# Altium PCB 400182.PcbDoc (part 3 of 3)
Units mm, origin at the board's own origin, x right, y up, seen from the top; angles counter-clockwise.
Board outline 50.6 x 50.4 mm, 2 copper layers (Top Layer, Bottom Layer), stack 1.505 mm thick; 166 components, 124 nets, 606 pads, 438 vias.
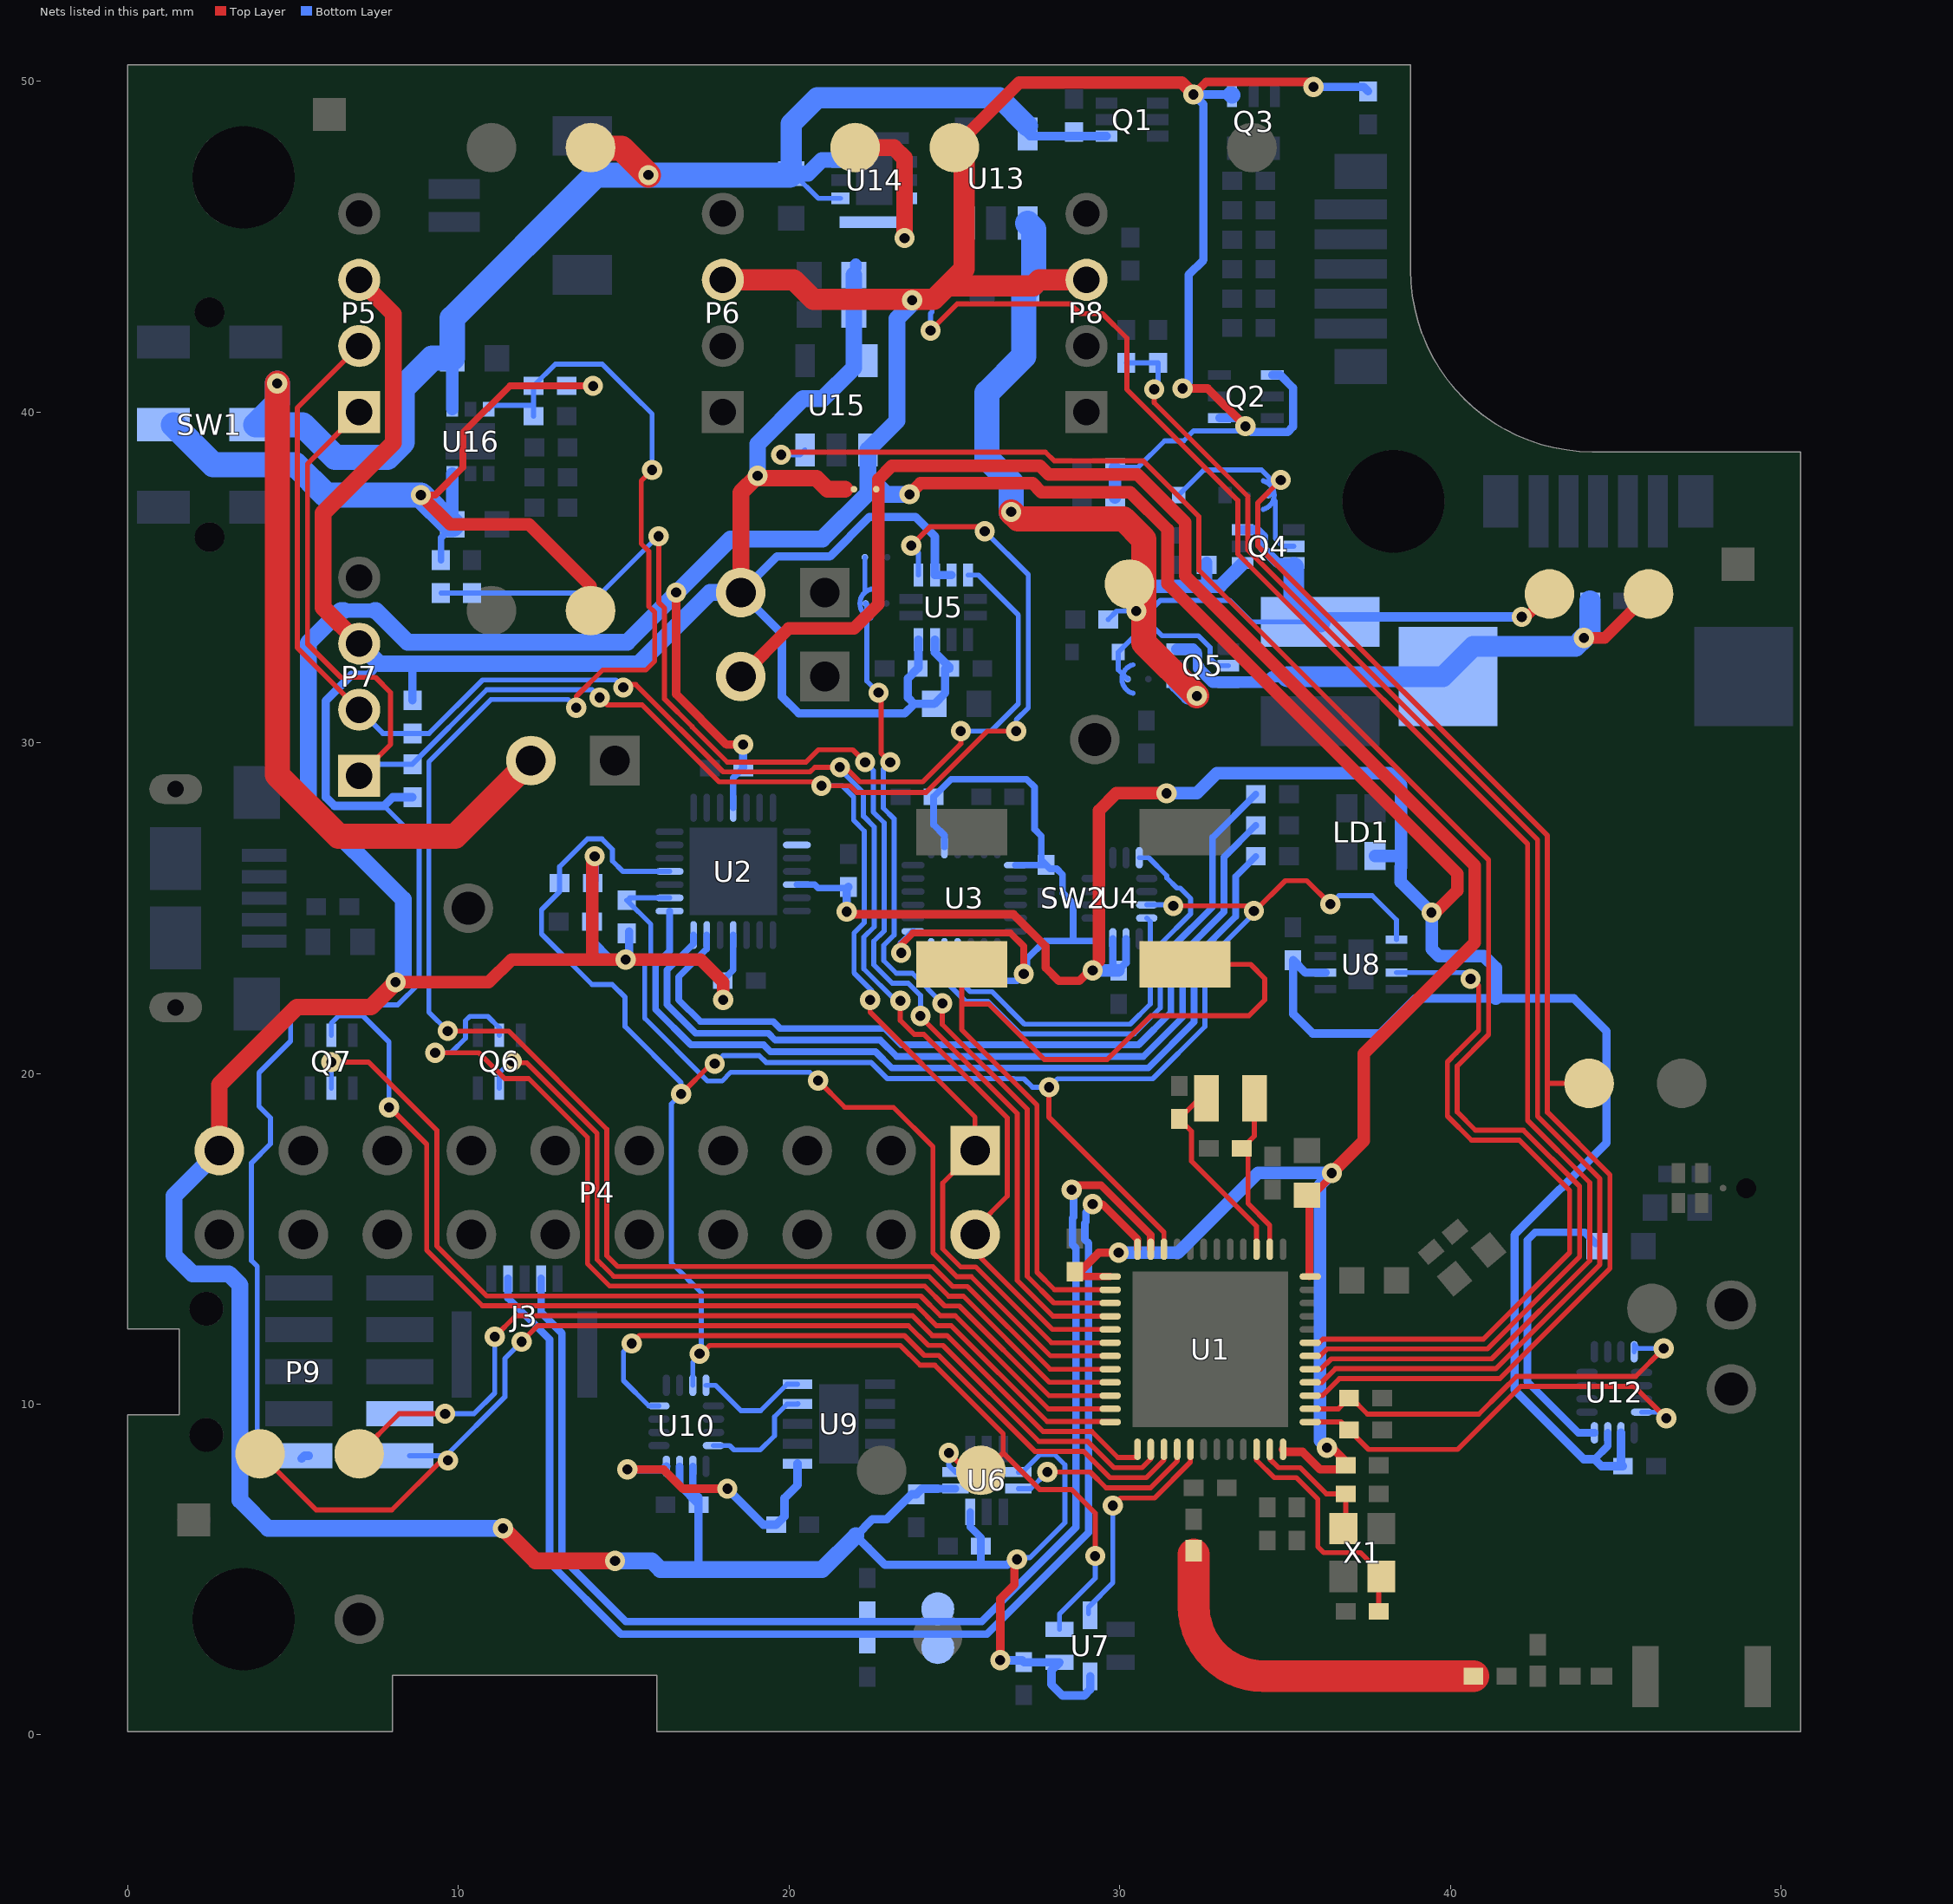
[diagram p3: the nets of this part, all layers, seen from the top]

## Via types
v1: diameter 0.61, hole 0.305, Top Layer to Bottom Layer, tented both sides, 422 vias
v2: diameter 0.66, hole 0.33, Top Layer to Bottom Layer, tented both sides, 16 vias

## Nets (pads, with @x,y where several pads share a name; then routed paths per layer and width w, separated by ;. In a path a pad name is that pad's centre, name@x,y a point inside that pad or via, vN(x,y) a via of type N, cw(c..) or ccw(c..) an arc to the next point about the centre after c; other vN are vias at no path point) (continued)
P0.08: R23.2 TP18.1 U1.10 U2.25 U4.11 U6.2 U7.2 U8.5 U10.7 | length 80.9
  Top Layer w0.147: v1(16.739,19.38) 17.653,20.295 v1(17.755,20.295)
  Top Layer w0.152: v1@17.346,11.525 17.597,11.777 23.366,11.777 23.965,11.178 24.409,11.178 26.476,9.111 26.476,8.525 ; v1(24.834,8.525) 25.359,8 TP18.1@25.8,8 25.951,8 26.476,8.525 ; v1(27.864,19.583) 27.864,18.676 31.342,15.197 U1.10@31.342,14.685 ; v1(29.261,5.41) 29.261,6.706 28.544,7.422 27.579,7.422 26.476,8.525 ; v1(31.623,25.07) 33.909,25.07 v1(34.061,24.917) 34.097,24.917 35.012,25.832 35.662,25.832 v1(36.373,25.121)
  Bottom Layer w0.147: v1(16.739,19.38) 16.441,19.082 16.441,14.277 16.959,13.759
  Bottom Layer w0.152: 15.239,26.117 14.97,26.117 14.661,26.426 14.661,26.776 14.341,27.096 13.904,27.096 13.064,26.256 13.064,25.503 12.515,24.955 12.515,24.22 14.043,22.692 14.655,22.692 15.043,22.304 15.043,21.42 16.739,19.724 v1(16.739,19.38) ; 15.24,26.116 16.384,26.116 U2.25@16.388,26.111 ; 16.957,13.757 17.346,13.368 v1@17.346,11.525 ; U10.7@17.091,10.572 17.091,11.27 ; v1(17.755,20.295) 18.004,20.544 19.098,20.544 19.306,20.335 22.481,20.335 22.974,19.842 26.797,19.842 ; v1(24.834,8.525) 24.834,8.146 U6.2@25.034,7.946 ; 26.797,19.842 27.107,19.842 27.366,19.583 v1(27.864,19.583) 28.122,19.842 30.999,19.842 32.578,21.421 32.578,23.353 v1@34.061,24.837 ; U7.2@28.183,3.192 28.183,3.658 29.261,4.735 v1(29.261,5.41) ; U4.11@30.82,25.1 31.593,25.1 v1(31.623,25.07) ; v1(36.373,25.121) 36.632,25.38 37.638,25.38 38.375,24.642 U8.5@38.375,24.05
  other v1: 17.295,11.525
P0.09: C45.1 J3.2 TP24.1 U1.11 | length 40
  Top Layer w0.229: v1(28.55,16.485) 28.684,16.619 29.443,16.619 30.942,15.12 U1.11@30.942,14.685
  Bottom Layer w0.229: J3.2@12.5,13.8 12.5,12.773 13.132,12.141 13.132,5.359 15.068,3.424 25.829,3.424 28.682,6.277 28.682,14.716 28.573,14.825 28.573,15.631 28.608,15.666 28.608,16.427 v1(28.55,16.485)
P0.10: C46.2 J3.4 TP25.1 U1.12 | length 39.7
  Top Layer w0.229: v1(29.185,16.053) 29.478,16.053 30.542,14.989 U1.12@30.542,14.685
  Bottom Layer w0.229: J3.4@11.5,13.8 11.5,13.214 12.756,11.958 12.756,5.204 14.912,3.048 25.984,3.048 29.058,6.121 29.058,14.871 28.949,14.98 28.949,15.476 28.983,15.51 28.983,15.801 v1@29.185,16.002
P0.11: SW2.2 U1.14 | length 26.5
  Top Layer w0.152: SW2.2@25.225,23.3 25.225,22.098 ; U1.14@29.717,13.46 28.033,13.46 27.501,13.992 27.501,19.047 25.225,21.324 25.225,22.098 ; SW2.2@31.975,23.3 33.962,23.3 34.392,22.87 34.392,22.225 33.912,21.745 30.947,21.745 29.623,20.422 27.722,20.422 26.045,22.098 25.225,22.098
P0.12: SB9.2 SB10.2 U1.15 | length 27
  Top Layer w0.152: v1(22.708,31.517) 22.784,31.44 22.784,29.693 v1(23.063,29.413) ; v1(24.638,22.123) 24.638,21.487 27.202,18.923 27.202,13.868 28.01,13.06 U1.15@29.717,13.06
  Bottom Layer w0.152: 22.294,34.546 SB9.2@22.294,35.611 ; SB10.2@22.319,34.214 22.355,34.178 22.355,31.87 v1(22.708,31.517) ; v1(23.063,29.413) 22.852,29.202 22.852,28.029 23.176,27.705 23.176,24.188 22.865,23.877 22.865,23.414 23.246,23.033 23.729,23.033 v1(24.638,22.123)
P0.13: R13.2 R14.1 U1.16 | length 40.8
  Top Layer w0.152: v1(16.053,36.246) 16.058,36.24 16.058,34.247 16.236,34.069 16.236,31.326 17.069,30.493 17.069,30.48 18.13,29.419 20.513,29.419 20.883,29.789 21.925,29.789 v1(22.301,29.413) ; v1(23.978,21.742) 23.978,21.716 26.903,18.791 26.903,13.744 27.987,12.66 U1.16@29.717,12.66
  Bottom Layer w0.152: R13.2@9.474,34.527 R14.1@10.414,34.527 14.318,34.527 16.038,36.246 v1(16.053,36.246) ; v1(22.301,29.413) 22.553,29.162 22.553,27.905 22.877,27.581 22.877,24.312 22.565,24.001 22.565,23.29 23.122,22.733 23.605,22.733 23.978,22.36 v1(23.978,21.742)
P0.14: P4.2 P5.2 P7.2 R24.2 U1.17 U5.4 | length 63.6
  Top Layer w0.152: P7.2@7,31 5.125,32.875 5.125,40.125 P5.2@7,42 ; v1(14.986,31.674) 15.074,31.762 15.364,31.762 18.006,29.119 20.637,29.119 20.778,29.261 v1(21.539,29.261) 21.707,29.261 22.146,28.821 24.043,28.821 25.197,29.975 v1(25.197,30.353) ; v1(23.368,22.2) 23.368,21.605 23.789,21.184 24.079,21.184 26.603,18.66 26.603,16.291 25.63,15.318 P4.2@25.63,15.13 25.63,14.593 27.963,12.26 U1.17@29.717,12.26
  Bottom Layer w0.152: P7.2@7,31 7.715,30.285 R24.2@8.611,30.285 9.117,30.285 10.735,31.902 14.757,31.902 v1(14.986,31.674) ; v1(21.539,29.261) 21.539,29.202 22.253,28.488 22.253,27.781 22.577,27.457 22.577,24.437 22.266,24.125 22.266,23.165 23.231,22.2 v1(23.368,22.2) ; v1(25.197,30.353) 26.112,30.353 26.938,31.18 26.938,33.864 25.731,35.072 U5.4@25.415,35.072
P0.15: P4.1 P5.1 P7.1 R25.2 U1.18 U5.1 | length 70.2
  Top Layer w0.147: v1(22.454,22.225) 22.454,21.857 25.63,18.681 P4.1@25.63,17.67 24.648,16.688 24.648,14.697 25.191,14.154 25.642,14.154 27.936,11.86 U1.18@29.717,11.86
  Top Layer w0.152: P7.1@7,29 7.95,29.95 7.95,31.521 7.493,31.979 6.445,31.979 5.436,32.988 5.436,38.436 P5.1@7,40 ; v1(14.275,31.369) 14.498,31.146 15.556,31.146 17.882,28.82 20.863,28.82 v1(20.98,28.702) 21.842,28.702 22.045,28.499 24.144,28.499 25.998,30.353 v1(26.873,30.353) ; v1(23.698,35.966) 24.262,36.531 25.791,36.531 v1(25.921,36.4)
  Bottom Layer w0.152: P7.1@7,29 7.354,29.354 R25.2@8.611,29.354 10.859,31.603 14.041,31.603 v1(14.275,31.369) ; v1(20.98,28.702) 21.615,28.702 21.953,28.364 21.953,27.657 22.277,27.333 22.277,24.561 21.966,24.249 21.966,23.041 22.504,22.503 v1@22.504,22.225 ; v1(23.698,35.966) 23.915,35.75 U5.1@23.915,35.072 ; v1(25.921,36.4) 27.238,35.084 27.238,31.056 26.873,30.691 v1(26.873,30.353)
P0.16: R1.1 U1.19 U2.23 | length 25.6
  Top Layer w0.147: v1(20.879,19.787) 21.686,18.979 23.157,18.979 24.353,17.783 24.353,14.575 25.074,13.855 25.518,13.855 27.913,11.46 U1.19@29.717,11.46
  Bottom Layer w0.147: R1.1@15.091,25.242 R1.1@15.091,25.242 15.824,24.511 15.824,23.595 15.639,23.41 15.639,21.667 17.537,19.769 17.972,19.769 18.241,20.038 20.627,20.038 v1(20.879,19.787)
  Bottom Layer w0.152: R1.1@15.167,25.242 15.167,25.292 15.186,25.311 U2.23@16.388,25.311
P0.17: R15.2 R16.1 U1.20 U16.3 | length 58
  Top Layer w0.147: v1@9.627,21.311 v1@9.665,21.273 ; v1(9.677,21.285) 11.52,21.285 14.49,18.315 14.49,16.891 14.49,14.491 14.822,14.159 24.353,14.159 24.952,13.56 25.396,13.56 27.897,11.06 U1.20@29.717,11.06 ; v1(13.564,31.064) 13.564,31.401 14.362,32.199 15.664,32.199 15.939,32.475 15.939,33.946 15.761,34.124 15.761,35.794 15.527,36.028 15.527,37.918 v1(15.862,38.252)
  Bottom Layer w0.147: v1(9.677,21.285) 9.106,21.856 9.106,29.43 10.982,31.306 13.322,31.306 v1(13.564,31.064) ; 15.278,40.526 15.862,39.942 v1(15.862,38.252)
  Bottom Layer w0.152: U16.3@10.913,40.091 11.03,40.208 12.276,40.208 ; R16.1@12.276,39.878 12.276,40.208 ; 15.278,40.526 14.351,41.453 12.937,41.453 R15.2@12.276,40.792 12.276,40.208
P0.18: Q6.2 U1.21 | length 25.3
  Top Layer w0.147: v1@11.542,20.32 12.069,20.32 14.195,18.194 14.195,17.349 14.196,14.369 14.345,14.22 ; 14.345,14.22 14.7,13.865 24.231,13.865 24.83,13.266 25.274,13.266 27.88,10.66 U1.21@29.717,10.66
  Bottom Layer w0.147: Q6.2@11.237,19.558 11.237,20.015 v1@11.542,20.32
  other v1: 11.618,20.371
P0.19: Q6.5 U1.22 | length 30
  Top Layer w0.147: v1(9.296,20.625) 10.621,20.625 11.401,19.845 12.127,19.845 13.901,18.072 13.901,14.248 14.578,13.571 24.109,13.571 24.708,12.972 25.152,12.972 27.864,10.26 U1.22@29.717,10.26
  Bottom Layer w0.147: v1(9.296,20.625) 9.777,20.625 10.217,21.064 10.217,21.599 10.346,21.729 10.891,21.729 11.237,21.383 Q6.5@11.237,21.158
P0.20: Q7.2 U1.23 | length 30.7
  Top Layer w0.152: v1(6.157,20.345) 7.282,20.345 9.347,18.28 9.347,14.782 10.855,13.274 23.986,13.274 24.585,12.675 25.029,12.675 27.844,9.86 U1.23@29.717,9.86
  Bottom Layer w0.152: Q7.2@6.157,19.558 v1(6.157,20.345)
P0.21: Q7.5 U1.24 | length 32.1
  Top Layer w0.152: v1(7.899,18.974) 7.93,18.974 9.042,17.862 9.042,14.656 10.724,12.974 23.862,12.974 24.461,12.375 24.905,12.375 27.807,9.474 29.703,9.474 U1.24@29.717,9.46
  Bottom Layer w0.152: Q7.5@6.157,21.158 6.157,21.524 6.375,21.742 7.112,21.742 7.899,20.955 v1(7.899,18.974)
P0.22: U1.27 U10.4 | length 21.1
  Top Layer w0.152: v1(15.24,11.836) 15.48,12.076 23.49,12.076 24.089,11.477 24.533,11.477 27.435,8.576 28.91,8.576 29.709,7.777 30.808,7.777 31.342,8.311 U1.27@31.342,8.635
  Bottom Layer w0.152: v1(15.24,11.836) 14.992,11.588 14.992,10.713 15.758,9.947 U10.4@16.066,9.947
P0.23: U1.28 U6.7 | length 5.9
  Top Layer w0.152: v1(27.813,7.95) 29.112,7.95 29.591,7.472 30.934,7.472 31.187,7.725 31.742,8.28 U1.28@31.742,8.635
  Bottom Layer w0.152: U6.7@26.934,7.446 27.309,7.446 v1(27.813,7.95)
P0.24: U1.29 U7.3 | length 6.8
  Top Layer w0.152: v1(29.794,6.934) 30.024,7.164 31.057,7.164 32.142,8.249 U1.29@32.142,8.635
  Bottom Layer w0.152: U7.3@29.058,3.668 29.058,3.861 29.794,4.597 v1(29.794,6.934)
P0.25: C33.2 U1.37 U12.12 | length 13.1
  Top Layer w0.152: U1.37@35.767,9.46 36.7,9.46 C33.2@36.94,9.22 37.528,8.632 40.222,8.632 42.131,10.541 45.568,10.541 v1(46.533,9.576)
  Bottom Layer w0.152: U12.12@45.788,9.76 46.348,9.76 v1(46.533,9.576)
P0.26: C32.2 U1.38 U12.8 | length 13
  Top Layer w0.152: U1.38@35.767,9.86 36.614,9.86 C32.2@36.94,10.185 ; C32.2@36.965,10.236 36.965,10.228 37.496,9.697 40.863,9.697 41.567,10.401 ; 41.568,10.401 42.007,10.84 45.613,10.84 v1(46.457,11.684)
  Bottom Layer w0.152: U12.8@45.563,11.585 45.563,11.798 45.677,11.684 v1(46.457,11.684)
P0.27: D1.1 Q4.2 SB7.2 TP21.1 U1.39 | length 46.3
  Top Layer w0.152: v1(34.874,37.948) 34.175,37.249 34.175,35.959 42.94,27.194 42.94,19.715 ; U1.39@35.767,10.26 36.134,10.26 36.647,10.773 41.5,10.773 44.831,14.104 44.831,16.937 42.94,18.827 42.94,19.715 ; TP21.1@44.2,19.7 42.955,19.7 42.94,19.715
  Bottom Layer w0.152: D1.1@31.787,37.49 32.549,38.252 34.29,38.252 34.526,38.016 34.526,37.823 ; SB7.2@34.526,37.49 34.526,37.617 34.544,37.617 34.624,37.698 v1(34.874,37.948) ; 34.675,37.342 34.711,37.306 34.711,36.178 34.948,35.941 Q4.2@35.268,35.941
P0.28: R20.2 R21.1 U1.40 | length 44.1
  Top Layer w0.152: v1(31.045,40.691) 31.045,40.286 33.876,37.455 33.876,35.835 42.641,27.07 42.641,18.703 44.526,16.818 44.526,14.223 41.375,11.072 36.523,11.072 36.111,10.66 U1.40@35.767,10.66
  Bottom Layer w0.152: R20.2@30.201,41.486 R21.1@31.166,41.486 31.166,40.812 v1(31.045,40.691)
P0.29: U1.41 U13.3 | length 53.9
  Top Layer w0.152: v1(24.282,42.469) 25.088,43.274 28.512,43.274 28.81,42.977 29.479,42.977 30.221,42.235 30.221,40.687 33.577,37.331 33.577,35.711 42.341,26.946 42.341,18.579 44.221,16.7 44.221,14.342 41.251,11.371 36.399,11.371 36.088,11.06 U1.41@35.767,11.06
  Bottom Layer w0.152: v1(24.282,42.469) 24.282,42.986 24.328,43.031 24.328,43.505 25.314,44.491 U13.3@25.314,45.716
P0.30: U1.42 U15.3 | length 52.4
  Top Layer w0.152: v1(19.761,38.71) 19.842,38.791 27.758,38.791 28.025,38.524 30.711,38.524 32.394,36.841 32.394,35.221 41.158,26.457 41.158,21.174 40.213,20.229 40.213,18.834 40.759,18.288 41.91,18.288 41.915,18.283 42.215,18.283 43.911,16.586 43.911,14.455 41.127,11.671 36.275,11.671 36.064,11.46 U1.42@35.767,11.46
  Bottom Layer w0.152: v1(19.761,38.71) 20.339,38.71 U15.3@20.488,38.858
P0.31: U1.43 U8.7 | length 22.3
  Top Layer w0.152: U1.43@35.767,11.86 36.041,11.86 36.151,11.97 41.002,11.97 43.612,14.58 43.612,16.462 42.091,17.983 40.64,17.983 39.914,18.71 39.914,20.353 40.184,20.624 40.858,21.298 40.858,22.667 v1@40.589,22.936
  Bottom Layer w0.152: U8.7@38.375,23.05 v1@40.475,23.05
  other v1: 40.615,22.86
RF: C13.2 L1.2 | length 11.2
  Top Layer w0.965: 32.24,3.891 ccw(c34.356,3.891) 34.356,1.775 ; 32.24,3.891 L1.2@32.24,5.461 ; 34.4,1.775 C13.2@40.7,1.775
SCL_CCS: U9.10 U10.8 | length 3.4
  Bottom Layer w0.152: U10.8@17.491,10.572 17.777,10.572 18.545,9.804 19.143,9.804 19.943,10.604 U9.10@20.258,10.604
SCL_MPU: U3.23 U4.12 | length 10.3
  Bottom Layer w0.152: U3.23@24.7,23.75 24.7,23.255 25.48,22.475 26.14,22.475 27.123,21.493 30.317,21.493 30.928,22.104 30.928,24.592 U4.12@30.82,24.7
SDA_CCS: U9.9 U10.12 | length 3.5
  Bottom Layer w0.152: U10.12@17.716,8.747 18.202,8.747 18.333,8.616 19.132,8.616 19.562,9.046 19.562,9.623 19.943,10.004 U9.9@20.258,10.004 ; U9.9@20.258,10.017 U9.9@20.269,10.017
SDA_MPU: U3.24 U4.8 | length 14.4
  Bottom Layer w0.152: U3.24@24.3,23.75 24.3,23.223 25.348,22.176 26.016,22.176 26.999,21.193 30.441,21.193 31.228,21.98 31.228,23.913 32.151,24.836 32.151,25.289 31.831,25.609 31.734,25.609 31.425,25.918 31.425,25.981 30.881,26.525 U4.8@30.595,26.525
SENSE_LED_B: R12.1 U2.22 | length 26.5
  Bottom Layer w0.203: U2.22@16.388,24.911 16.388,23.704 15.961,23.277 15.961,21.94 17.033,20.869 19.233,20.869 19.441,20.66 22.616,20.66 23.109,20.168 30.865,20.168 32.253,21.555 32.253,23.488 33.508,24.743 33.508,25.953 R12.1@34.12,26.565
SENSE_LED_G: R11.1 U2.21 | length 25.9
  Bottom Layer w0.203: U2.21@17.113,24.186 17.113,23.933 16.312,23.131 16.312,22.085 17.178,21.219 19.378,21.219 19.586,21.011 22.761,21.011 23.254,20.518 30.72,20.518 31.903,21.701 31.903,23.633 33.158,24.888 33.158,26.543 R11.1@34.12,27.505
SENSE_LED_R: R10.1 U2.20 | length 25.8
  Bottom Layer w0.203: U2.20@17.513,24.186 17.513,23.768 16.662,22.917 16.662,22.23 17.322,21.57 19.523,21.57 19.731,21.361 22.906,21.361 23.399,20.869 30.576,20.869 31.553,21.846 31.553,23.778 32.808,25.033 32.808,27.132 R10.1@34.12,28.445
SPK1: D2.1 L6.1 Q4.3 Q4.6 Q5.2 SB8.2 TP14.1 | length 22.7
  Top Layer w0.295: v1(42.164,33.807) 42.307,33.807 TP14.1@43,34.5
  Bottom Layer w0.152: SB8.2@30.244,31.928 30.095,32.077 29.961,32.211 D2.1@29.961,32.741 30.677,33.457 31.019,33.457 31.039,33.477 ; Q5.2@33.288,32.334 32.968,32.334 32.737,32.566 32.737,32.882 32.383,33.235 31.281,33.235 31.039,33.477 ; L6.1@36.068,33.656 33.984,33.656 33.33,34.31 31.237,34.31 31.039,34.112 31.039,33.477
  Bottom Layer w0.295: Q4.6@33.718,36.441 34.139,36.441 34.341,36.239 34.341,35.875 34.775,35.441 Q4.3@35.268,35.441 ; L6.1@36.068,33.656 36.219,33.807 v1(42.164,33.807)
  Bottom Layer w0.635: Q4.3@35.268,35.298 35.268,34.456 L6.1@36.068,33.656
SPK2: C37.1 Q5.3 Q5.6 S1.2 TP15.1 | length 17.2
  Top Layer w0.35: v1(44.044,33.172) 44.672,33.172 TP15.1@46,34.5
  Bottom Layer w0.279: 32.315,32.741 32.365,32.69 ; 32.365,32.334 32.391,32.309
  Bottom Layer w0.295: 32.36,32.334 32.36,32.69
  Bottom Layer w0.35: Q5.6@31.738,32.834 32.221,32.834 32.315,32.741 ; 32.391,32.309 32.391,32.258 32.815,31.834 Q5.3@33.288,31.834 34.45,31.834 34.616,32 35.077,32
  Bottom Layer w0.635: 35.077,32 39.776,32 40.695,32.918 43.79,32.918 v1(44.044,33.172) 44.229,33.358 C37.1@44.229,34.29
SWDCLK: P9.4 TP20.1 U1.25 | length 29.6
  Top Layer w0.152: TP20.1@7,8.5 8.21,9.71 v1(9.6,9.71) ; v1(11.1,12.04) 11.735,12.675 23.738,12.675 24.337,12.076 24.781,12.076 27.683,9.175 29.158,9.175 29.947,8.386 30.459,8.386 30.542,8.469 U1.25@30.542,8.635
  Bottom Layer w0.152: P9.4@8.225,9.71 v1(9.6,9.71) 10.472,9.71 11.1,10.338 v1(11.1,12.04)
SWDIO: P9.2 TP19.1 U1.26 | length 33.9
  Top Layer w0.152: TP19.1@4,8.5 5.7,6.8 7.985,6.8 9.485,8.3 v1(9.685,8.3) ; v1(11.913,11.887) 12.401,12.376 23.614,12.376 24.213,11.777 24.657,11.777 27.559,8.875 29.034,8.875 29.828,8.081 30.678,8.081 30.942,8.345 U1.26@30.942,8.635
  Bottom Layer w0.152: P9.2@8.525,8.44 9.625,8.44 11.405,10.219 11.405,11.379 v1(11.913,11.887)
SX_INT: U2.9
VBUS: C41.2 R13.1 R15.1 SW1.2 TP6.1 U16.6 | length 27.4
  Top Layer w0.203: v1(8.865,37.49) 9.296,37.49 10.135,38.329 10.135,39.37 11.557,40.792 v1(14.072,40.792)
  Top Layer w0.381: v1(8.865,37.49) 9.752,36.603 12.139,36.603 14,34.743 TP6.1@14,34
  Bottom Layer w0.203: R13.1@9.474,35.527 9.474,36.195 9.752,36.472 C41.2@9.752,36.603 ; R15.1@13.276,40.792 v1(14.072,40.792)
  Bottom Layer w0.381: C41.2@9.813,36.603 U16.6@9.813,38.141
  Bottom Layer w0.762: SW1.2@1.375,39.62 2.59,38.405 5.08,38.405 5.994,37.49 v1(8.865,37.49) 9.752,36.603 C41.2@9.813,36.603
VDD: C14.2 C15.2 C16.2 C18.2 C24.2 C25.2 C26.2 C27.2 C29.2 C34.2 LD1.4 P4.19 P6.3 P8.3 Q2.1 Q2.4 Q3.1 R1.2 R22.1 R23.1 R29.1 R30.1 R31.1 TP11.1 U2.4 U2.12 U2.18 U4.14 U4.15 U6.1 U6.6 U6.10 U7.1 U7.6 U8.2 U10.14 U10.15 U12.14 U12.15 U15.1 | length 281.2
  Top Layer w0.254: v1(16.586,34.544) 16.586,31.471 18.11,29.947 v1(18.614,29.947) ; v1@21.768,24.816 26.789,24.816 27.762,23.843 27.762,23.196 28.157,22.802 28.779,22.802 v1@29.138,23.161 ; v1(26.391,2.261) 26.391,4.115 26.822,4.547 v1@26.822,5.359 ; v1(31.902,40.716) 32.664,40.716 v1(33.807,39.573) ; v1(32.233,49.606) 32.614,49.987 35.712,49.987 v1(35.865,49.835)
  Top Layer w0.381: v1@8.28,22.758 10.922,22.758 11.608,23.444 14.097,23.444 ; v1(14.122,26.568) 14.046,26.492 14.046,23.495 14.097,23.444 ; v1(18.009,22.225) 18.009,22.758 17.323,23.444 14.097,23.444 ; v1(23.647,37.516) 23.98,37.849 27.368,37.849 27.635,37.582 30.322,37.582 31.452,36.451 31.452,34.81 40.216,26.046 40.216,25.535 39.548,24.867 v1(39.433,24.867) ; TP11.1@25,48 26.962,49.962 31.877,49.962 v1(32.233,49.606) ; 29.38,23.404 29.38,27.958 29.896,28.473 v1(31.42,28.473)
  Top Layer w0.508: P4.19@2.77,17.67 2.77,19.661 5.118,22.009 7.353,22.009 v1(8.103,22.758) ; v1(11.351,6.245) 12.332,5.263 v1(14.737,5.263)
  Top Layer w0.635: P6.3@18,44 20.142,44 20.734,43.409 24.359,43.409 ; 24.381,43.409 24.788,43.815 ; TP11.1@25.06,48 25.298,47.762 25.298,44.326 24.788,43.815 ; P8.3@29,44 27.566,44 27.381,43.815 24.788,43.815
  Bottom Layer w0.152: v1@26.822,5.359 27.287,5.359 28.344,6.416 28.344,8.166 28.032,8.478 27.594,8.478 27.062,7.946 U6.6@26.934,7.946 ; R31.1@29.862,38.329 30.556,38.329 31.36,39.132 31.936,39.132 32.235,39.432 33.666,39.432 v1(33.807,39.573)
  Bottom Layer w0.203: v1(18.009,22.225) 17.995,22.239 C15.2@17.995,22.811 18.313,23.13 U2.18@18.313,24.186 ; U2.4@18.313,28.036 18.313,28.937 C14.2@18.614,29.237 ; U2.12@20.238,25.711 20.776,25.711 20.878,25.609 C16.2@21.767,25.609
  Bottom Layer w0.229: U10.15@16.691,8.122 16.691,7.541 17.264,6.968 C29.2@17.264,6.96 ; U10.14@17.091,8.122 17.091,7.362 C29.2@17.264,7.189 ; 24.511,7.446 U6.1@25.034,7.446 ; U6.10@25.484,6.746 25.484,6.291 25.802,5.974 C25.2@25.802,5.708 25.802,5.171 25.832,5.141 ; U4.15@29.795,24.075 29.795,23.283 29.964,23.114 30.195,23.345 U4.14@30.195,24.075 ; 44.363,8.338 44.763,8.738 U12.15@44.763,9.135
  Bottom Layer w0.254: R22.1@14.038,24.587 14.038,24.011 14.605,23.444 v1@15.215,23.444 ; v1(14.737,5.263) v1@14.783,5.309 ; v1@15.167,23.491 R1.2@15.167,24.292 ; 17.264,5.029 C29.2@17.264,6.96 ; C29.2@17.264,6.968 C29.2@17.264,7.189 ; C14.2@18.614,29.237 v1(18.614,29.947) ; v1(21.742,24.892) 21.742,25.584 21.767,25.609 C16.2@21.797,25.639 ; 24.511,7.446 24.026,7.446 C24.2@23.854,7.275 23.708,7.275 22.956,6.522 22.524,6.522 22.022,6.02 22.39,5.651 22.396,5.651 22.907,5.141 25.832,5.141 26.604,5.141 v1@26.822,5.359 ; v1(26.391,2.261) 26.399,2.253 C26.2@27.051,2.253 ; C26.2@27.111,2.192 U7.1@28.183,2.192 27.94,1.949 27.94,1.524 28.27,1.194 28.931,1.194 29.108,1.372 U7.6@29.108,1.767 ; v1(31.902,40.716) 32.086,40.899 32.086,44.151 32.536,44.601 32.536,49.303 v1(32.233,49.606) Q3.1@33.376,49.606 ; Q2.4@33.02,39.823 33.558,39.823 v1(33.807,39.573) 33.982,39.399 35.084,39.399 35.244,39.559 35.244,40.736 34.858,41.123 Q2.1@34.62,41.123 ; C27.2@35.246,23.425 35.25,23.425 C27.2@35.25,23.421 ; v1(35.865,49.835) 37.381,49.835 R30.1@37.516,49.7 ; U8.2@36.225,23.05 35.621,23.05 C27.2@35.25,23.421 ; U12.14@45.163,9.135 45.163,8.187 C34.2@45.225,8.125 44.576,8.125 44.363,8.338 44.037,8.338 41.946,10.429 41.946,15.123 44.729,17.907 44.729,21.28 43.739,22.271 41.377,22.271 38.943,22.271 37.882,21.209 35.839,21.209 35.25,21.799 C27.2@35.25,23.421
  Bottom Layer w0.381: R23.1@14.064,25.832 v1@14.064,26.526 ; v1(29.185,23.114) C18.2@29.964,23.114 ; R29.1@29.862,37.414 R31.1@29.862,38.329 ; v1(31.42,28.473) 32.334,28.473 32.944,29.083 38.154,29.083 38.51,28.727 38.51,26.238 38.503,26.245 38.503,25.797 v1(39.433,24.867) 39.433,24.763 39.439,24.758 39.439,23.756 39.649,23.546 41.021,23.546 41.377,23.19 41.377,22.271 ; LD1.4@37.725,26.575 38.503,26.575
  Bottom Layer w0.432: 6.535,34 7.468,34
  Bottom Layer w0.508: P4.19@2.77,17.67 1.397,16.297 1.397,14.503 1.956,13.945 3.054,13.945 3.394,13.605 3.394,7.096 4.245,6.245 v1(11.351,6.245) ; 6.535,34 6.441,34 5.461,33.02 5.461,28.135 8.332,25.264 8.332,22.917 v1@8.173,22.758 ; 7.468,34 7.504,34 8.458,33.045 15.113,33.045 18.232,36.164 21.008,36.164 22.388,37.543 22.388,38.059 ; v1(14.737,5.263) 15.85,5.263 16.109,5.004 21.006,5.004 22.022,6.02 ; v1(23.647,37.516) 22.931,37.516 22.388,38.059 ; v1@23.724,43.282 23.266,42.824 23.266,39.737 U15.1@22.388,38.858 22.388,38.059 ; Q3.1@33.376,49.606 Q3.1@33.401,49.581
  other v1: 26.899,5.309 15.062,23.444 23.724,43.383
VDD_CCS: C28.2 U9.6 U10.16 | length 8.5
  Top Layer w0.254: v1(15.113,8.026) 16.206,8.026 16.789,7.443 v1(18.136,7.443)
  Bottom Layer w0.254: v1(15.113,8.026) 16.195,8.026 U10.16@16.291,8.122 ; v1(18.136,7.443) 19.223,6.356 C28.2@19.611,6.356 19.861,6.606 19.861,7.159 20.258,7.556 U9.6@20.258,8.204
VDD_MIC: FB1.2 U12.16 | length 9.3
  Bottom Layer w0.229: U12.16@44.363,9.135 43.875,9.135 42.334,10.676 42.334,14.963 42.568,15.196 44.073,15.196 FB1.2@44.405,14.864
VDD_MPU: C17.2 C19.2 U3.1 U3.8 U3.13 U3.22 U4.16 | length 22.5
  Top Layer w0.203: v1@23.393,23.698 23.393,23.895 23.747,24.249 26.703,24.249 27.102,23.85 v1(27.102,23.012)
  Bottom Layer w0.203: v1@23.393,23.943 U3.1@23.75,24.3 ; U3.8@24.7,26.85 24.7,27.201 24.376,27.525 C19.2@24.376,28.372 24.904,28.9 27.188,28.9 27.427,28.661 27.427,27.386 27.63,27.183 27.63,26.453 C17.2@27.775,26.308 C17.2@27.783,26.3 ; U3.22@25.1,23.75 25.1,23.317 25.617,22.801 26.89,22.801 v1(27.102,23.012) 27.201,23.111 27.201,23.467 27.742,24.008 28.6,24.008 ; U3.13@26.85,26.3 C17.2@27.783,26.3 ; U4.16@29.395,24.075 29.329,24.008 28.6,24.008 ; C17.2@27.783,26.3 27.892,26.191 28.096,26.191 28.274,26.013 28.274,25.47 28.597,25.148 28.597,24.012 28.6,24.008
  other v1: 23.393,23.647
VDD_NRF: C5.1 C8.1 C9.1 P2.2 SB2.1 U1.13 U1.36 U1.48 | length 69
  Top Layer w0.229: C5.1@28.653,13.86 U1.13@29.717,13.86 ; U1.48@35.742,13.87 35.742,16.23 35.827,16.315 v1@36.419,16.907
  Top Layer w0.254: C5.1@28.653,14.005 28.788,14.005 29.362,14.58 v1(29.972,14.58) ; U1.36@34.942,8.635 35.016,8.561 35.533,8.561 36.068,8.026 36.584,8.026 C8.1@36.738,8.18 ; v1(36.271,8.687) 36.418,8.687 36.839,8.265 C8.1@36.839,8.155
  Top Layer w0.381: P2.2@18.542,32.004 19.994,33.456 21.972,33.456 22.708,34.192 22.708,37.973 23.111,38.377 27.587,38.377 27.854,38.11 30.54,38.11 31.98,36.67 31.98,35.05 40.744,26.286 40.744,23.955 37.389,20.599 37.389,17.96 v1(36.419,16.99)
  Bottom Layer w0.381: v1(29.972,14.58) 31.771,14.58 34.181,16.99 36.062,16.99 v1(36.419,16.99) 36.062,16.633 36.062,8.896 v1(36.271,8.687)
VLI-ION: C40.2 C42.2 P3.2 Q1.4 R3.1 SW1.5 TP7.1 U13.5 U14.4 U14.6 U16.1 | length 63.4
  Top Layer w0.762: v1(4.521,40.869) 4.521,29.032 6.375,27.178 9.906,27.178 P3.2@12.192,29.464 ; TP7.1@13.97,47.981 14.936,47.981 v1(15.748,47.168)
  Bottom Layer w0.152: C42.2@20.066,47.208 20.141,47.208 20.883,46.465 U14.4@21.556,46.465
  Bottom Layer w0.254: U13.5@27.214,48.416 27.286,48.344 Q1.4@29.603,48.344
  Bottom Layer w0.381: U16.1@9.813,40.091 C40.2@9.813,41.629
  Bottom Layer w0.483: C42.2@20.141,47.208 20.574,47.208 20.991,47.625 U14.6@21.59,47.625
  Bottom Layer w0.635: C42.2@20.066,47.208 20.066,48.717 20.853,49.505 26.365,49.505 U13.5@27.214,48.656
  Bottom Layer w0.762: v1(4.521,40.869) 4.521,40.266 SW1.5@3.875,39.62 5.287,39.62 6.274,38.633 7.849,38.633 8.306,39.091 8.306,40.732 9.204,41.631 C40.2@9.815,41.631 9.815,42.835 14.148,47.168 v1(15.748,47.168) 20.027,47.168 C42.2@20.066,47.208
VREG: C21.2 C22.2 C23.2 C43.2 C44.2 P1.2 P5.3 P7.3 P9.1 R24.1 R25.1 SB2.2 TP12.1 U5.2 U5.3 U5.9 U5.10 U14.3 U14.8 U15.5 | length 99.1
  Top Layer w0.508: P7.3@7,33 5.913,34.087 5.913,36.952 8.036,39.075 8.036,42.964 P5.3@7,44 ; P1.2@18.542,34.544 18.542,37.567 v1(19.05,38.075) 19.121,38.004 20.829,38.004 21.164,37.668 21.692,37.668 ; TP12.1@22,48 23.174,48 23.495,47.679 v1(23.495,45.263)
  Bottom Layer w0.152: P9.1@4.445,8.509 3.917,9.037 3.917,14.168 3.743,14.342 3.743,17.297 4.318,17.872 4.318,18.658 3.968,19.008 3.968,20.021 4.925,20.978 4.925,21.664 5.334,22.073 8.164,22.073 8.809,22.718 8.809,27.03 7.748,28.091
  Bottom Layer w0.254: P9.1@5.258,8.357 5.341,8.44 P9.1@5.475,8.44 ; 7.61,32.39 7.274,32.055 6.769,32.055 5.989,31.275 5.989,28.354 6.252,28.091 7.748,28.091 8.012,28.354 R25.1@8.611,28.354 ; R24.1@8.611,31.285 8.611,32.365 ; U5.10@23.915,33.122 23.915,32.265 C23.2@23.892,32.242 23.597,31.947 23.597,31.369 23.79,31.176 ; U5.9@24.415,33.122 24.415,32.734 24.848,32.302 C21.2@24.848,32.242 ; C21.2@24.721,32.242 24.721,31.503 C22.2@24.393,31.176 23.79,31.176 ; U5.3@24.915,35.072 U5.2@24.415,35.072 24.415,36.24 23.825,36.83 22.428,36.83 21.234,35.636 19.634,35.636 P1.2@18.542,34.544 19.787,33.299 19.787,31.394 20.29,30.891 23.506,30.891 23.79,31.176
  Bottom Layer w0.356: C43.2@22.022,44.374 C43.2@22.022,44.475
  Bottom Layer w0.508: P7.3@7,33 7.61,32.39 15.456,32.39 17.61,34.544 P1.2@18.542,34.544 ; v1(19.05,38.075) 19.05,39.033 20.429,40.411 21.031,40.411 21.96,41.34 C44.2@21.96,42.951 C43.2@21.96,44.145
VSPK: C47.2 Q4.4 Q5.4 R27.1 R28.1 TP13.1 U13.1 | length 26
  Top Layer w0.762: v1(26.721,36.982) 26.929,36.774 30.114,36.774 30.734,36.154 30.734,33.02 v1(32.334,31.42)
  Bottom Layer w0.152: R28.1@29.659,33.731 29.913,33.985 v1(30.505,33.985)
  Bottom Layer w0.203: U13.1@27.214,45.716 U13.1@27.214,45.958
  Bottom Layer w0.35: 32.631,34.841 R27.1@32.631,35.458
  Bottom Layer w0.406: v1(30.505,33.985) 30.505,34.29 30.952,34.736 33.042,34.736 Q4.4@33.718,35.413
  Bottom Layer w0.508: Q5.4@31.738,31.755 32.073,31.42 v1(32.334,31.42)
  Bottom Layer w0.762: v1(26.721,36.982) 26.721,37.869 25.99,38.6 25.99,40.578 27.096,41.685 27.096,43.617 C47.2@27.193,43.713 27.407,43.927 27.407,45.523 U13.1@27.214,45.716
XC1: C1.1 U1.34 X1.1 | length 7.5
  Top Layer w0.152: U1.34@34.142,8.635 34.142,8.311 34.676,7.777 35.179,7.777 35.345,7.777 35.993,7.128 35.993,5.691 36.171,5.513 37.289,5.513 37.839,4.962 C1.1@37.839,3.735
XC2: C2.1 U1.35 X1.3 | length 4.5
  Top Layer w0.152: U1.35@34.542,8.635 34.542,8.345 34.806,8.081 35.463,8.081 36.254,7.291 C2.1@36.787,7.291 ; X1.3@36.639,6.185 36.839,6.385 36.839,7.239 C2.1@36.787,7.291 ; X1.3@36.704,6.25 X1.3@36.704,6.467 ; C2.1@36.839,7.291 C2.1@36.787,7.291
XL1: C11.1 U1.2 X2.1 | length 5.1
  Top Layer w0.152: X2.1@34.077,19.255 34.077,18.108 C11.1@33.699,17.731 33.699,17.705 33.884,17.521 33.884,16.07 34.542,15.412 U1.2@34.542,14.685
XL2: C12.1 U1.3 X2.2 | length 6
  Top Layer w0.152: X2.2@32.627,19.255 32.429,19.255 C12.1@31.802,18.628 32.176,18.254 32.176,17.347 34.142,15.381 U1.3@34.142,14.685
pads on no net: A1.2 Fid1.0 Fid2.0 Fid3.0 H1. H2. H3. J1.4 J1.6@1.45,22 J1.6@1.45,28.6 J2.0 J3.0 J3.1 J3.3 J3.5 P8.2 P9.0 P9.6 P9.7 P9.8 P9.10 Q3.3 Q3.4 Q3.5 SW1.0 SW1.1 SW1.4 U1.44 U3.2 U3.3 U3.4 U3.5 U3.6 U3.7 U3.14 U3.15 U3.16 U3.17 U3.19 U3.21 U4.1 U4.9 U4.10 U4.13 U8.8 U9.8 U10.1 U10.9 U10.10 U10.13 U11.0 U12.1 U12.3 U12.4 U12.5 U12.10 U13.4 U14.5 U15.4

## Polygon pours and split planes (outlines as drawn)
GND on Top Layer "Top_Layer-GND" (solid, remove dead copper, pour order 8): 59.395,-3.835 -15.214,-3.835 -15.214,55.067 59.395,55.067
GND on Bottom Layer "Bottom_Layer-GND" (solid, remove dead copper, pour order 7): 60.995,-3.988 -6.595,-3.988 -6.595,54.889 60.995,54.889

## Keep-outs
Top Layer:
  circle w0.1: c38.28,37.3 r2.5
Keep-Out Layer:
  the board outline again, w0.15

## Other copper
Top Layer:
  pour cut-out: 11.963,23.47 11.963,20.93 14.554,20.93 14.554,23.47
  pour cut-out: 35.992,47.625 35.992,45.085 38.583,45.085 38.583,47.625
  pour cut-out: 31.142,5.945 31.142,8.688 34.037,8.688 34.037,5.945
Bottom Layer:
  region net NetU14_1: 21.539,48.793 21.539,48.158 23.343,48.158 23.343,48.793
  region net NetU14_1: 23.343,48.793 23.343,47.396 23.851,47.396 23.851,48.793
  region net VREG: 23.343,46.634 23.343,43.84 23.851,43.84 23.851,46.634
  region net VREG: 21.565,45.872 21.565,43.84 23.724,43.84 23.724,45.872
  pour cut-out: 24.028,24.003 24.028,26.543 26.568,26.543 26.568,24.003

## Silkscreen, mask and mechanical layers (free items; w line width, h text height)
Top Overlay:
  drawing of 50 lines, arcs and shapes, not listed
  text "400182" at 37.109,49.779 h2.03 r270
  text "0264RUBR" at 36.079,49.696 h0.69 r270
  text "GND" at 12.412,45.441 h1.78
  text "GND" at 23.412,45.441 h1.78
  text "VREG" at 1.036,43.441 h1.78
  text "VDD" at 12.412,43.441 h1.78
  text "VDD" at 23.412,43.441 h1.78
  text "SDA" at 1.9,41.441 h1.78
  text "P0.03" at 12.412,41.441 h1.78
  text "SCL" at 1.9,39.441 h1.78
  text "P0.02" at 12.412,39.441 h1.78
  text "P0.04" at 23.412,39.441 h1.78
  text "+" at 18.119,37.048 h1.02 r180
  text "-" at 20.659,37.048 h1.02 r180
  text "GND" at 1.9,34.441 h1.78
  text "Thingy:52" at 34.565,34.366 h2.41 r270
  text "VREG" at 22.86,34.036 h2.03
  text "VREG" at 1.036,32.441 h1.78
  text "VDD_nRF" at 22.86,31.496 h2.03
  text "Li-po" at 11.642,31.303 h2.03
  text "SDA" at 1.9,30.441 h1.78
  text "+" at 18.119,29.5 h1.02
  text "-" at 20.659,29.5 h1.02
  text "X" at 22.23,29.15 h2.03 r270
  text "SCL" at 1.9,28.441 h1.78
  text "+" at 11.769,26.96 h1.02
  text "-" at 14.309,26.96 h1.02
  text "Y" at 17.155,24.15 h2.03 r270
  text "VDD" at 2.211,22.394 h1.78 r270
  text "M4.D" at 4.751,22.394 h1.78 r270
  text "M3.D" at 7.291,22.394 h1.78 r270
  text "M2.D" at 9.831,22.394 h1.78 r270
  text "M1.D" at 12.371,22.394 h1.78 r270
  text "EXT.2" at 14.911,22.394 h1.78 r270
  text "EXT.0" at 17.451,22.394 h1.78 r270
  text "P0.04" at 19.991,22.394 h1.78 r270
  text "P0.02" at 22.531,22.394 h1.78 r270
  text "SCL" at 25.071,21.886 h1.78 r270
  text "GND" at 2.211,13.606 h1.78 r270
  text "M4.S" at 4.751,13.606 h1.78 r270
  text "M3.S" at 7.291,13.606 h1.78 r270
  text "M2.S" at 9.831,13.606 h1.78 r270
  text "M1.S" at 12.371,13.606 h1.78 r270
  text "EXT.3" at 14.911,13.606 h1.78 r270
  text "EXT.1" at 17.451,13.606 h1.78 r270
  text "GND" at 19.991,13.606 h1.78 r270
  text "P0.03" at 22.531,13.606 h1.78 r270
  text "SDA" at 25.071,13.606 h1.78 r270
  text "LABEL" at 14.224,8.23 h1.02 r270
  text "GND" at 6.5,7.4 h1.78 r270
Bottom Overlay:
  drawing of 908 lines, arcs and shapes, not listed
  text "ON" at 4.805,40.818 h1.78 r270
  text "OFF" at 4.805,36.576 h1.78 r270
  text "Power" at 4.805,33.452 h2.03
  text "Pb" at 41.706,2.801 h3.05
Mechanical 1:
  the board outline again, w0.15
Mechanical 8:
  drawing of 907 lines, arcs and shapes, not listed
  text "Pb" at 41.706,2.801 h3.05

## Text inside footprints (layer, text, board x,y; h text height)
LD1: Bottom Overlay "+" at 38.625,25.875 h0.6
P9: Bottom Overlay "1" at 4.74,7.3 h1.02 r270